# Altium PCB LimeSDR-USB_1v4.PcbDoc (part 3 of 10) (continued)
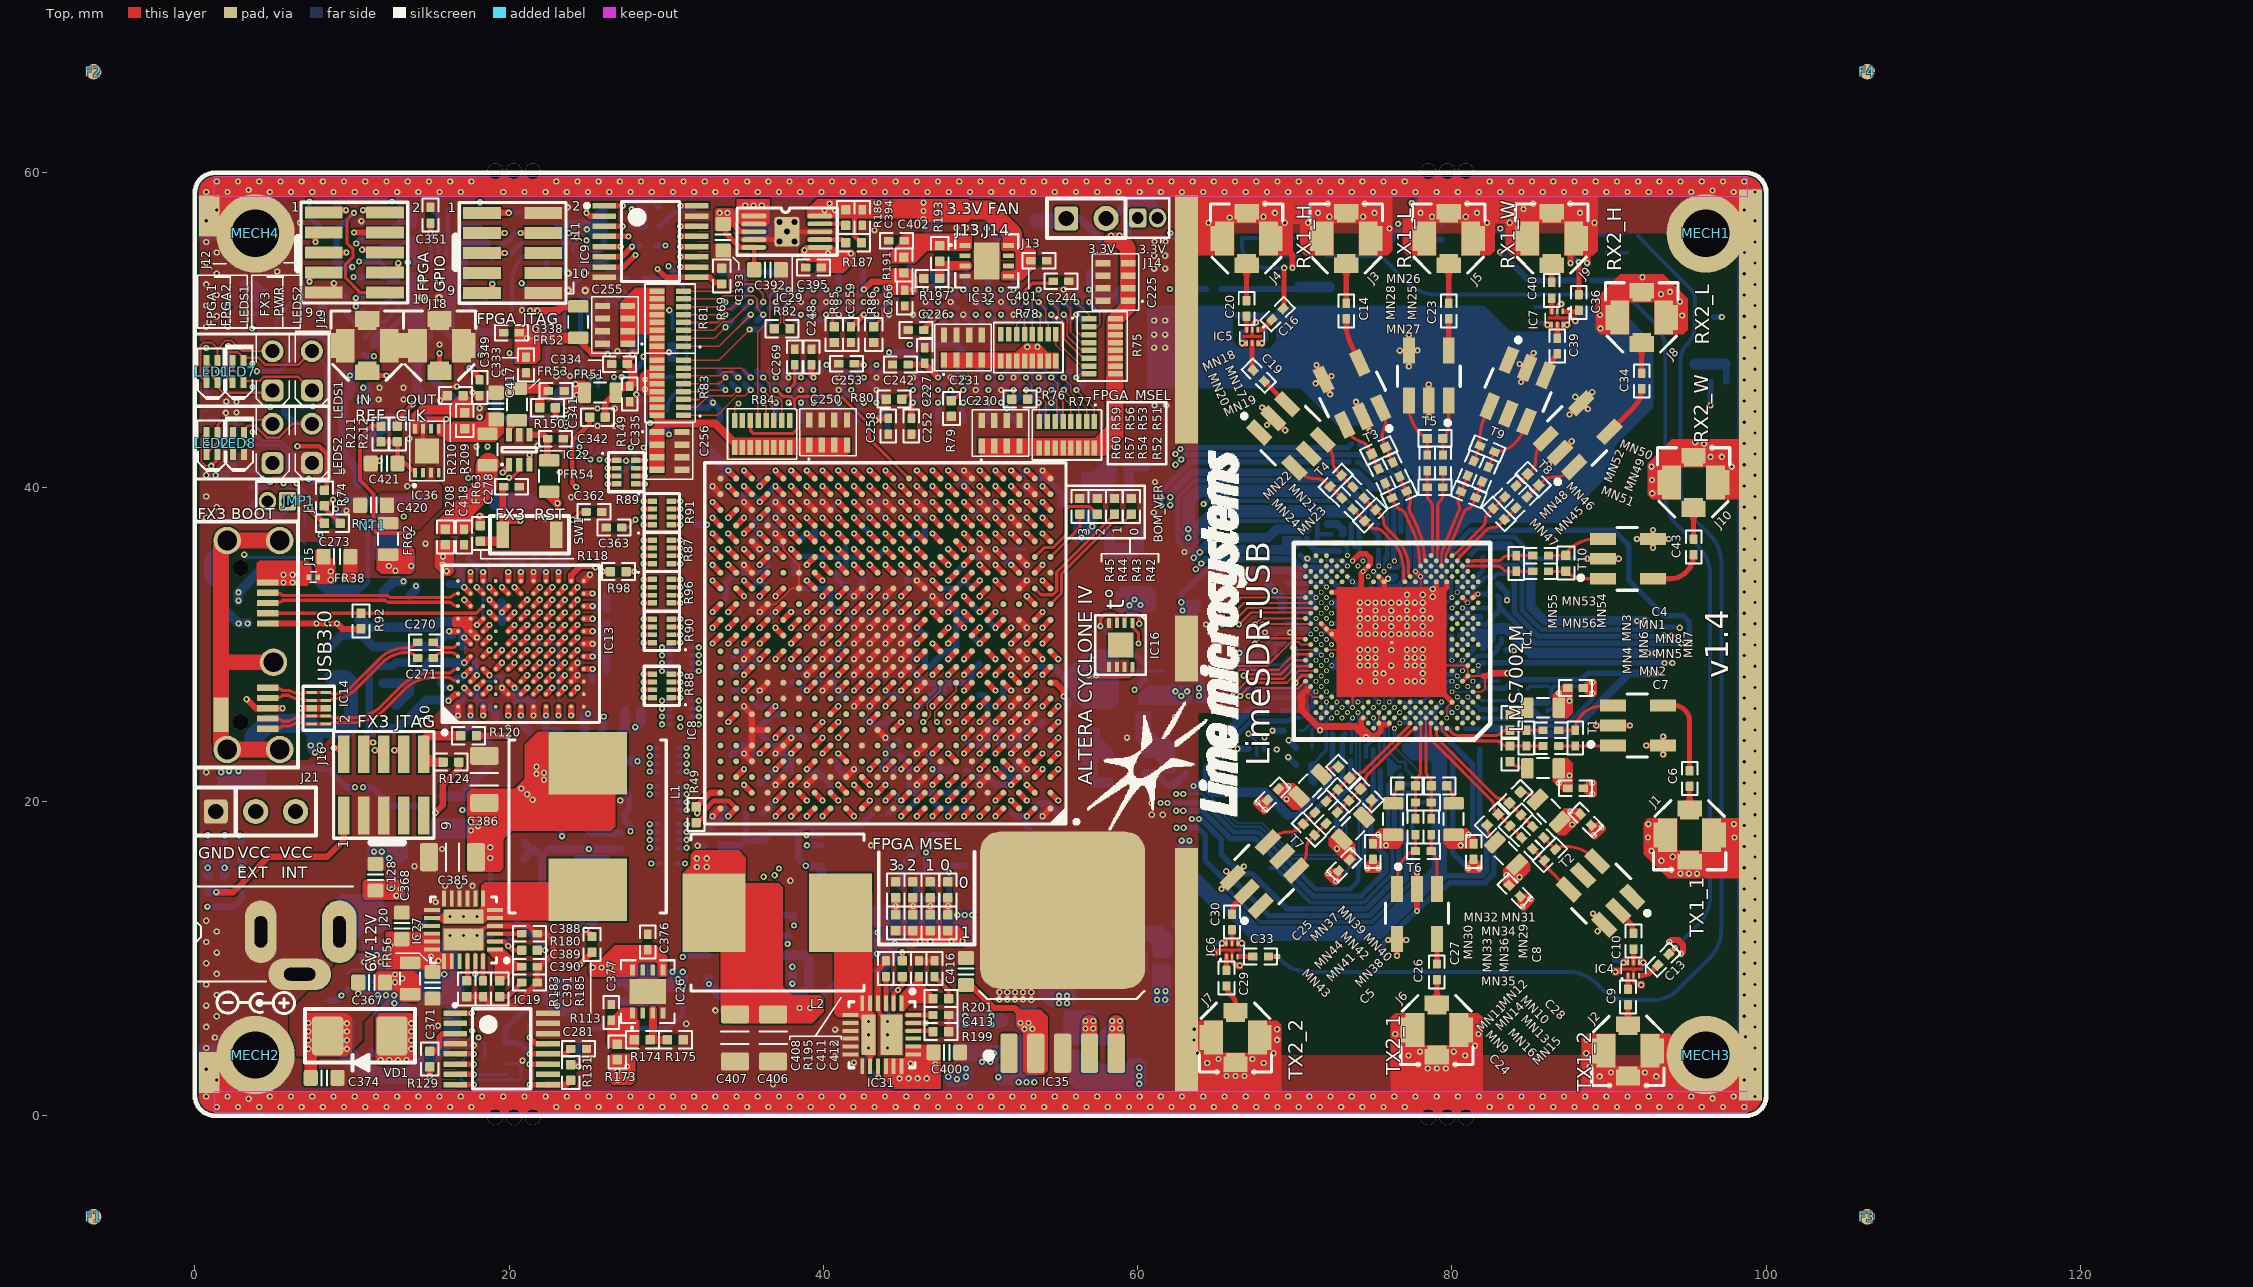
[diagram p0: Top view]
## Nets (pads, with @x,y where several pads share a name; then routed paths per layer and width w, separated by ;. In a path a pad name is that pad's centre, name@x,y a point inside that pad or via, vN(x,y) a via of type N, cw(c..) or ccw(c..) an arc to the next point about the centre after c; other vN are vias at no path point) (continued)
  Bottom w0.4: v1(53.7,51.775) IC11.L2@54.1,51.375
DDR2_1_BA1: IC8.V3 IC11.L3 R78.3 | length 29.5
  Top w0.1: v1(53.7,50.975) 53.8,50.875 R78.3@53.8,49.725
  Top w0.4: v2(51.95,37.05) IC8.V3@52.45,36.55
  L4 w0.1: v2(51.95,37.05) 52.6,37.7 54.317,37.7 58.75,42.133 58.75,52.266 57.491,53.525 55.134,53.525 54.45,52.841 54.45,52.503 54.122,52.175 53.605,52.175 53.35,51.92 53.35,51.325 v1(53.7,50.975)
  Bottom w0.4: v1(53.7,50.975) IC11.L3@54.1,50.575
DDR2_1_BA2: IC8.V1 IC11.L1 R78.4 | length 28
  Top w0.1: R78.4@53.3,49.725 53.3,52.175 v1(53.7,52.575)
  Top w0.4: v2(53.95,37.05) IC8.V1@54.45,36.55
  L4 w0.1: v1(53.7,52.575) 54.85,53.725 57.574,53.725 58.95,52.349 58.95,42.05 v2(53.95,37.05)
  Bottom w0.4: v1(53.7,52.575) IC11.L1@54.1,52.175
DDR2_1_CASN: IC8.T4 IC11.L7 R78.1 | length 19.1
  Top w0.1: v1(53.7,46.975) 54.05,47.325 55.1,47.325 55.25,47.475 55.25,48.592 54.8,49.042 R78.1@54.8,49.725
  Top w0.4: v2(50.95,35.05) IC8.T4@51.45,34.55
  L9 w0.1: v2(50.95,35.05) 51.445,35.05 53.4,37.005 53.4,44.867 53.1,45.167 53.1,45.85 53.25,46 53.25,46.525 v1(53.7,46.975)
  Bottom w0.4: v1(53.7,46.975) IC11.L7@54.1,47.375
DDR2_1_CKE: IC8.R7 IC11.K2 R78.6 | length 29.2
  Top w0.1: R78.6@52.3,49.725 52.3,50.4 52.55,50.65 52.55,51.425 v1(52.9,51.775)
  Top w0.4: v2(47.95,33.05) IC8.R7@48.45,33.55
  L9 w0.1: v2(47.95,33.05) 48.3,32.7 52.095,32.7 54.85,35.455 54.85,48.53 52.55,50.83 52.55,51.325 52.9,51.675 v1(52.9,51.775)
  Bottom w0.4: v1(52.9,51.775) IC11.K2@53.3,51.375
DDR2_1_CLK_N: IC8.U8 IC11.K8 R76.2 | length 16.9
  Top w0.1: v1(52.9,46.175) 52.9,45.725 R76.2@53.025,45.6
  Top w0.4: IC8.U8@47.45,35.55 v2(47.95,35.05)
  L9 w0.1: v2(47.95,35.05) 48.35,35.45 51.158,35.45 51.6,35.892 51.6,36.195 51.805,36.4 52.078,36.4 52.6,36.922 52.6,45.875 v1(52.9,46.175)
  Bottom w0.4: v1(52.9,46.175) IC11.K8@53.3,46.575
DDR2_1_CLK_P: IC8.U7 IC11.J8 R76.1 | length 16.5
  Top w0.1: R76.1@51.975,45.6 52.1,45.725 v1(52.1,46.175)
  Top w0.4: v2(47.95,36.05) IC8.U7@48.45,35.55
  L9 w0.1: v2(47.95,36.05) 48.35,35.65 51.075,35.65 51.4,35.975 51.4,36.278 51.722,36.6 51.995,36.6 52.4,37.005 52.4,45.875 v1(52.1,46.175)
  Bottom w0.4: v1(52.1,46.175) IC11.J8@52.5,46.575
DDR2_1_CSN: IC8.R6 IC11.L8 R77.6 | length 18.9
  Top w0.1: v1(53.7,46.175) 54.15,45.725 54.645,45.725 54.85,45.52 54.85,44.275 R77.6@54.75,44.175
  Top w0.4: IC8.R6@49.45,33.55 v2(49.95,34.05)
  L9 w0.1: v2(49.95,34.05) 50.6,34.7 52.095,34.7 52.27,34.875 52.27,35.592 53.6,36.922 53.6,44.95 53.3,45.25 53.3,45.767 53.7,46.167 v1(53.7,46.175)
  Bottom w0.4: v1(53.7,46.175) IC11.L8@54.1,46.575
DDR2_1_DM0: IC8.AA7 IC11.F3 | length 16.7
  Top w0.4: v2(47.95,40.05) IC8.AA7@48.45,39.55
  L9 w0.1: v2(47.95,40.05) 47.667,40.05 47.117,40.6 45.658,40.6 45.5,40.758 45.5,41.288 45.175,41.613 45.175,47.258 48.542,50.625 49.35,50.625 v1(49.7,50.975)
  Bottom w0.4: v1(49.7,50.975) IC11.F3@50.1,50.575
DDR2_1_DM1: IC8.V5 IC11.B3 | length 18.5
  Top w0.4: v2(49.95,37.05) IC8.V5@50.45,36.55
  L9 w0.1: v1(46.5,50.975) 44.975,49.45 44.975,41.53 45.3,41.205 45.3,40.675 45.575,40.4 46.105,40.4 49.455,37.05 v2(49.95,37.05)
  Bottom w0.4: v1(46.5,50.975) IC11.B3@46.9,50.575
DDR2_1_DQ0: IC8.U10 IC11.G8 | length 23.4
  Top w0.4: v2(44.95,36.05) IC8.U10@45.45,35.55
  L8 w0.1: v2(44.95,36.05) 45.525,36.625 49.02,36.625 50.575,38.18 50.575,43.642 49.267,44.95 48.825,44.95 48.55,45.225 48.55,47.8 49.025,48.275 49.025,48.55 49.4,48.925 49.775,48.925 50.025,48.675 50.025,46.65 v1(50.5,46.175)
  Bottom w0.4: v1(50.5,46.175) IC11.G8@50.9,46.575
DDR2_1_DQ1: IC8.AB8 IC11.G2 | length 23.6
  Top w0.4: v2(46.95,41.05) IC8.AB8@47.45,40.55
  L4 w0.1: v2(46.95,41.05) 46.95,41.7 ccw(c46.646,41.7) 46.646,42.004 45.646,42.004 cw(c45.646,42.308) 45.342,42.308 cw(c45.646,42.308) 45.646,42.612 46.95,42.612 48.128,42.612 ccw(c48.128,42.916) 48.432,42.916 ccw(c48.128,42.916) 48.128,43.22 46.95,43.22 cw(c46.95,43.454) 46.716,43.454 46.716,43.594 cw(c46.95,43.594) 46.95,43.828 48.371,43.828 ccw(c48.371,44.132) 48.675,44.132 ccw(c48.371,44.132) 48.371,44.436 46.95,44.436 46.656,44.436 cw(c46.656,44.74) 46.352,44.74 cw(c46.656,44.74) 46.656,45.044 ccw(c46.656,45.338) 46.95,45.338 46.95,45.35 46.95,47.559 49.25,49.859 49.25,51.05 49.625,51.425 50.15,51.425 v1(50.5,51.775)
  Bottom w0.4: v1(50.5,51.775) IC11.G2@50.9,51.375
DDR2_1_DQ2: IC8.AB7 IC11.H7 | length 23.6
  Top w0.4: v2(47.95,41.05) IC8.AB7@48.45,40.55
  L9 w0.1: v2(47.95,41.05) 48.4,40.6 49.995,40.6 50.3,40.905 50.3,41.5 ccw(c49.996,41.5) 49.996,41.804 49.334,41.804 cw(c49.334,42.108) 49.03,42.108 cw(c49.334,42.108) 49.334,42.412 50.3,42.412 51.096,42.412 ccw(c51.096,42.716) 51.4,42.716 ccw(c51.096,42.716) 51.096,43.02 50.3,43.02 49.334,43.02 cw(c49.334,43.324) 49.03,43.324 cw(c49.334,43.324) 49.334,43.628 50.3,43.628 51.096,43.628 ccw(c51.096,43.932) 51.4,43.932 ccw(c51.096,43.932) 51.096,44.236 50.604,44.236 cw(c50.604,44.54) 50.3,44.54 50.3,44.625 50.3,45 50.05,45.25 50.05,48.925 50.275,49.15 51.025,49.15 51.3,48.875 v1(51.3,46.975)
  Bottom w0.4: v1(51.3,46.975) IC11.H7@51.7,47.375
DDR2_1_DQ3: IC8.AA9 IC11.H3 | length 23.6
  Top w0.4: v2(45.95,40.05) IC8.AA9@46.45,39.55
  L4 w0.1: v2(45.95,40.05) 46.3,40.4 46.3,41.195 46.095,41.4 45.675,41.4 45.1,41.975 45.1,42.675 45.259,42.834 46.149,42.834 46.516,43.201 46.516,44.034 46.35,44.2 45.5,44.2 45.35,44.35 45.35,47.217 45.541,47.409 46.516,47.409 46.8,47.692 46.8,50.4 47.025,50.625 48.3,50.625 48.55,50.875 48.55,51.92 48.855,52.225 51.5,52.225 51.75,51.975 51.75,51.125 51.6,50.975 v1(51.3,50.975)
  Bottom w0.4: v1(51.3,50.975) IC11.H3@51.7,50.575
DDR2_1_DQ4: IC8.V11 IC11.H1 | length 23.7
  Top w0.4: v2(43.95,37.05) IC8.V11@44.45,36.55
  L4 w0.1: v2(43.95,37.05) 43.95,37.525 44.3,37.875 44.3,45.005 44.525,45.23 44.525,51.895 45.555,52.925 50.95,52.925 v1(51.3,52.575)
  Bottom w0.4: v1(51.3,52.575) IC11.H1@51.7,52.175
DDR2_1_DQ5: IC8.W10 IC11.H9 | length 23.5
  Top w0.4: v2(44.95,38.05) IC8.W10@45.45,37.55
  L4 w0.1: v2(44.95,38.05) 44.95,37.959 44.5,37.509 44.5,36.775 44.875,36.4 46.095,36.4 46.645,35.85 47.225,35.85 48.3,36.925 48.3,42 50.05,43.75 50.05,45.442 50.433,45.825 50.645,45.825 50.85,46.03 50.85,48 51.1,48.25 51.475,48.25 51.75,47.975 51.75,45.825 v1(51.3,45.375)
  Bottom w0.4: v1(51.3,45.375) IC11.H9@51.7,45.775
DDR2_1_DQ6: IC8.AA8 IC11.F1 | length 23.4
  Top w0.4: v2(46.95,40.05) IC8.AA8@47.45,39.55
  L8 w0.1: v2(46.95,40.05) 46.35,39.45 46,39.45 45.3,40.15 45.3,41.2 44.6,41.9 44.6,48.8 44.05,49.35 44.05,50.35 44.6,50.9 44.6,53.275 44.925,53.6 49.35,53.6 49.7,53.25 v1(49.7,52.575)
  Bottom w0.4: v1(49.7,52.575) IC11.F1@50.1,52.175
DDR2_1_DQ7: IC8.Y10 IC11.F9 | length 23.6
  Top w0.4: v2(44.95,39.05) IC8.Y10@45.45,38.55
  L4 w0.1: v2(44.95,39.05) 45.35,38.65 45.35,36.925 45.675,36.6 46.995,36.6 47.525,37.13 47.525,41.6 48.875,42.95 48.875,44.7 48.5,45.075 48.5,48.75 48.675,48.925 49.825,48.925 50.05,48.7 50.05,45.725 v1(49.7,45.375)
  Bottom w0.4: v1(49.7,45.375) IC11.F9@50.1,45.775
DDR2_1_DQ8: IC8.W6 IC11.C8 | length 23.6
  Top w0.4: v2(48.95,38.05) IC8.W6@49.45,37.55
  L8 w0.1: v1(47.3,46.175) 46.95,46.525 46.95,48.05 46.425,48.575 46.425,50.075 46.2,50.3 45.8,50.3 45.55,50.05 45.55,49.575 45.85,49.275 45.85,48.525 45.35,48.025 45.35,45.325 ccw(c45.654,45.325) 45.654,45.021 46.082,45.021 cw(c46.082,44.717) 46.386,44.717 cw(c46.082,44.717) 46.082,44.413 45.35,44.413 45.304,44.413 ccw(c45.304,44.109) 45,44.109 ccw(c45.304,44.109) 45.304,43.805 45.35,43.805 45.588,43.805 cw(c45.588,43.501) 45.892,43.501 cw(c45.588,43.501) 45.588,43.197 ccw(c45.588,42.959) 45.35,42.959 45.35,42.825 45.35,42.155 47.325,40.18 47.325,39.18 48.105,38.4 48.6,38.4 v2(48.95,38.05)
  Bottom w0.4: v1(47.3,46.175) IC11.C8@47.7,46.575
DDR2_1_DQ9: IC8.AA5 IC11.C2 | length 23.7
  Top w0.4: v2(49.95,40.05) IC8.AA5@50.45,39.55
  L8 w0.1: v1(47.3,51.775) 47.7,51.375 47.7,50.675 47.7,50.615 ccw(c48.004,50.615) 48.004,50.311 48.92,50.311 cw(c48.92,50.007) 49.224,50.007 cw(c48.92,50.007) 48.92,49.703 47.7,49.703 47.165,49.703 ccw(c47.165,49.399) 46.861,49.399 ccw(c47.165,49.399) 47.165,49.095 47.7,49.095 48.413,49.095 cw(c48.413,48.791) 48.717,48.791 cw(c48.413,48.791) 48.413,48.487 47.7,48.487 47.436,48.487 ccw(c47.436,48.183) 47.132,48.183 ccw(c47.436,48.183) 47.436,47.879 cw(c47.436,47.615) 47.7,47.615 47.7,47.575 47.7,45.28 47.173,44.753 47.173,44.05 47.173,43.391 cw(c46.869,43.391) 46.869,43.087 46.461,43.087 ccw(c46.461,42.783) 46.157,42.783 ccw(c46.461,42.783) 46.461,42.479 46.869,42.479 cw(c46.869,42.175) 47.173,42.175 47.173,41.852 47.45,41.575 47.45,40.775 47.825,40.4 49.6,40.4 v2(49.95,40.05)
  Bottom w0.4: v1(47.3,51.775) IC11.C2@47.7,51.375
DDR2_1_DQ10: IC8.W7 IC11.D7 | length 23.7
  Top w0.4: v2(47.95,38.05) IC8.W7@48.45,37.55
  L8 w0.1: v2(47.95,38.05) 47.3,37.4 45.805,37.4 44.6,36.195 44.6,35.905 45.105,35.4 45.875,35.4 46.875,36.4 48.875,36.4 49.795,36.4 51.3,37.905 51.3,38.025 51.3,41.2 50.975,41.525 50.975,43.525 49.3,45.2 49.3,46.575 v1(48.9,46.975)
  Bottom w0.4: IC11.D7@48.5,47.375 v1(48.9,46.975)
DDR2_1_DQ11: IC8.V8 IC11.D3 | length 23.4
  Top w0.4: v2(46.95,37.05) IC8.V8@47.45,36.55
  L4 w0.1: v2(46.95,37.05) 47.325,37.425 47.325,39.425 47.125,39.625 45.7,39.625 45.5,39.825 45.5,40.9 44.9,41.5 44.9,42.275 44.9,42.579 44.9,42.883 cw(c45.204,42.883) 45.204,43.187 46.013,43.187 ccw(c46.013,43.491) 46.317,43.491 ccw(c46.013,43.491) 46.013,43.795 45.204,43.795 cw(c45.204,44.099) 44.9,44.099 44.9,44.403 44.9,44.525 44.9,44.757 45.15,45.007 45.15,47.3 45.459,47.609 46.434,47.609 46.583,47.758 46.583,50.123 46.15,50.556 46.15,51.12 46.405,51.375 47.925,51.375 48.1,51.2 v1(48.1,50.975)
  Bottom w0.4: v1(48.1,50.975) IC11.D3@48.5,50.575
DDR2_1_DQ12: IC8.W8 IC11.D1 | length 23.2
  Top w0.4: v2(46.95,38.05) IC8.W8@47.45,37.55
  L4 w0.1: v2(46.95,38.05) 46.95,37.625 46.725,37.4 45.825,37.4 45.6,37.625 45.6,38.905 45.3,39.205 45.3,39.912 45.3,40.275 44.7,40.875 44.7,44.839 44.95,45.089 44.95,49.25 44.95,49.309 cw(c45.254,49.309) 45.254,49.613 46.063,49.613 ccw(c46.063,49.917) 46.367,49.917 ccw(c46.063,49.917) 46.063,50.221 45.254,50.221 cw(c45.254,50.525) 44.95,50.525 44.95,51.025 46.05,52.125 47.65,52.125 v1(48.1,52.575)
  Bottom w0.4: v1(48.1,52.575) IC11.D1@48.5,52.175
DDR2_1_DQ13: IC8.Y7 IC11.D9 | length 23.6
  Top w0.4: v2(47.95,39.05) IC8.Y7@48.45,38.55
  L8 w0.1: v2(47.95,39.05) 48.3,38.7 49.095,38.7 49.795,39.4 50.095,39.4 50.175,39.4 50.375,39.6 50.375,40.375 50.15,40.6 48.65,40.6 48.325,40.925 48.325,41.102 cw(c48.629,41.102) 48.629,41.406 49.545,41.406 ccw(c49.545,41.71) 49.849,41.71 ccw(c49.545,41.71) 49.545,42.014 48.325,42.014 47.693,42.014 cw(c47.693,42.318) 47.389,42.318 cw(c47.693,42.318) 47.693,42.622 48.325,42.622 49.545,42.622 ccw(c49.545,42.926) 49.849,42.926 ccw(c49.545,42.926) 49.545,43.23 48.325,43.23 47.693,43.23 cw(c47.693,43.534) 47.389,43.534 cw(c47.693,43.534) 47.693,43.838 48.325,43.838 49.362,43.838 ccw(c49.362,44.142) 49.666,44.142 ccw(c49.362,44.142) 49.362,44.446 48.629,44.446 cw(c48.629,44.75) 48.325,44.75 48.325,45.95 v1(48.1,46.175)
  Bottom w0.4: v1(48.1,46.175) IC11.D9@48.5,45.775
DDR2_1_DQ14: IC8.U9 IC11.B1 | length 23.3
  Top w0.4: v2(45.95,36.05) IC8.U9@46.45,35.55
  L4 w0.1: v2(45.95,36.05) 45.95,35.65 45.7,35.4 43.5,35.4 43.3,35.6 43.3,36.475 43.525,36.7 44.1,36.7 44.3,36.9 44.3,37.592 44.5,37.792 44.5,44.922 44.75,45.172 44.75,51.125 46.2,52.575 v1(46.5,52.575)
  Bottom w0.4: v1(46.5,52.575) IC11.B1@46.9,52.175
DDR2_1_DQ15: IC8.AA4 IC11.B9 | length 23.7
  Top w0.4: v2(50.95,40.05) IC8.AA4@51.45,39.55
  L9 w0.1: v1(46.5,45.375) 46.1,45.775 46.1,47.9 46.275,48.075 47.425,48.075 47.65,47.85 47.65,45.175 47.35,44.875 47.35,44.575 47.35,44.415 ccw(c47.654,44.415) 47.654,44.111 48.062,44.111 cw(c48.062,43.807) 48.366,43.807 cw(c48.062,43.807) 48.062,43.503 47.35,43.503 46.638,43.503 ccw(c46.638,43.199) 46.334,43.199 ccw(c46.638,43.199) 46.638,42.895 47.35,42.895 48.062,42.895 cw(c48.062,42.591) 48.366,42.591 cw(c48.062,42.591) 48.062,42.287 47.35,42.287 46.638,42.287 ccw(c46.638,41.983) 46.334,41.983 ccw(c46.638,41.983) 46.638,41.679 47.046,41.679 cw(c47.046,41.375) 47.35,41.375 47.35,40.65 47.6,40.4 50.6,40.4 v2(50.95,40.05)
  Bottom w0.4: v1(46.5,45.375) IC11.B9@46.9,45.775
DDR2_1_DQS0: IC8.AB9 IC11.F7 | length 14.7
  Top w0.4: v2(45.95,41.05) IC8.AB9@46.45,40.55
  L8 w0.1: v1(45.5,49.075) 44.8,48.375 44.8,42.2 v2(45.95,41.05)
  Bottom w0.4: v1@45.575,49.075 48.4,49.075 IC11.F7@50.1,47.375
DDR2_1_DQS0N: IC11.E8 R79.2 | length 1.6
  Top w0.2: R79.2@48.15,45.5 48.225,45.5 v1(48.9,46.175)
  Bottom w0.4: v1(48.9,46.175) IC11.E8@49.3,46.575
DDR2_1_DQS1: IC8.V10 IC11.B7 | length 15.8
  Top w0.4: v2(44.95,37.05) IC8.V10@45.45,36.55
  L8 w0.1: v1(44.175,48.575) 44.4,48.35 44.4,41.625 44.625,41.4 44.625,37.375 v2(44.95,37.05)
  Bottom w0.4: v1(44.175,48.575) 45.7,48.575 IC11.B7@46.9,47.375
DDR2_1_DQS1N: IC11.A8 R80.2 | length 1.5
  Top w0.2: R80.2@45,45.6 45.125,45.6 v1(45.7,46.175)
  Bottom w0.4: v1(45.7,46.175) IC11.A8@46.1,46.575
DDR2_1_ODT: IC8.P6 IC11.K9 R77.8 | length 18.7
  Top w0.1: v1(53.7,45.375) 53.75,45.325 R77.8@53.75,44.175
  Top w0.4: v2(48.95,33.05) IC8.P6@49.45,32.55
  L9 w0.1: v2(48.95,33.05) 49.5,33.05 50.925,34.475 52.87,34.475 54.3,35.905 54.3,44.775 v1(53.7,45.375)
  Bottom w0.4: IC11.K9@53.3,45.775 v1(53.7,45.375)
DDR2_1_RASN: IC8.T5 IC11.K7 R77.7 | length 24.7
  Top w0.1: v1(52.9,46.975) 52.9,46.875 53.25,46.525 53.25,46.13 53.655,45.725 53.845,45.725 54.15,45.42 54.15,44.275 R77.7@54.25,44.175
  Top w0.4: v2(49.95,35.05) IC8.T5@50.45,34.55
  L9 w0.1: v2(49.95,35.05) 49.445,35.05 49.095,34.7 47.805,34.7 47.6,34.905 47.6,36.195 47.83,36.425 50.85,36.425 51.6,37.175 51.6,44.475 50.95,45.125 50.95,46.32 51.175,46.545 51.175,46.575 52.5,46.575 v1(52.9,46.975)
  Bottom w0.4: v1(52.9,46.975) IC11.K7@53.3,47.375
DDR2_1_WEN: IC8.T7 IC11.K3 R78.5 | length 31.5
  Top w0.1: R78.5@52.8,49.725 52.8,50.875 v1(52.9,50.975)
  Top w0.4: v2(47.95,34.05) IC8.T7@48.45,34.55
  L8 w0.1: v2(47.95,34.05) 48.45,34.05 49.9,35.5 54.383,35.5 58.475,39.592 58.475,49.095 56.245,51.325 53.25,51.325 v1(52.9,50.975)
  Bottom w0.4: v1(52.9,50.975) IC11.K3@53.3,50.575
DDR2_2_A0: IC8.U15 IC12.M8 R81.3 | length 31
  Top w0.1: R81.3@31.1,49.975 33.058,49.975 33.608,50.525 34.125,50.525 v1(35.375,51.775)
  Top w0.4: v2(39.95,36.05) IC8.U15@40.45,35.55
  L4 w0.1: v1(35.375,51.775) 34.85,52.3 34.85,53.5 35.225,53.875 37.8,53.875 38.125,53.55 38.125,50.925 37.325,50.125 37.325,41.17 40.3,38.195 40.3,36.4 v2(39.95,36.05)
  Bottom w0.4: IC12.M8@34.975,51.375 v1(35.375,51.775)
DDR2_2_A1: IC8.AA17 IC12.M3 R83.7 | length 30.3
  Top w0.1: R83.7@31.1,47.575 34.775,47.575 v1(35.375,46.975)
  Top w0.4: v2(37.95,40.05) IC8.AA17@38.45,39.55
  L9 w0.1: v1(35.375,46.975) 35.125,46.975 34.15,47.95 34.15,51.175 34.4,51.425 36.725,51.425 39.2,48.95 39.2,48.65 38.975,48.425 38.7,48.425 38.55,48.275 38.55,47.55 38.8,47.3 39.55,47.3 39.8,47.05 39.8,45.305 39.35,44.855 39.35,44.5 39.35,44.15 ccw(c39.55,44.15) 39.55,43.95 cw(c39.55,43.55) 39.95,43.55 cw(c39.55,43.55) 39.55,43.15 39.35,43.15 39.264,43.15 ccw(c39.264,42.75) 38.864,42.75 ccw(c39.264,42.75) 39.264,42.35 39.35,42.35 39.507,42.35 cw(c39.507,41.95) 39.907,41.95 cw(c39.507,41.95) 39.507,41.55 ccw(c39.507,41.393) 39.35,41.393 39.35,41.15 39.35,40.955 38.445,40.05 v2(37.95,40.05)
  Bottom w0.4: IC12.M3@34.975,47.375 v1(35.375,46.975)
DDR2_2_A2: IC8.T14 IC12.M7 R81.1 | length 30.9
  Top w0.1: R81.1@31.1,48.975 33.375,48.975 v1(35.375,50.975)
  Top w0.4: v2(40.95,35.05) IC8.T14@41.45,34.55
  L4 w0.1: v1(35.375,50.975) 35.725,51.325 35.725,52.95 36.125,53.35 37.075,53.35 37.425,53 37.425,50.675 36.617,49.867 36.617,40.889 39.55,37.955 39.55,35.955 40.455,35.05 v2(40.95,35.05)
  Bottom w0.4: IC12.M7@34.975,50.575 v1(35.375,50.975)
DDR2_2_A3: IC8.Y17 IC12.N2 R83.2 | length 30.1
  Top w0.1: R83.2@31.1,45.075 31.95,45.075 32.7,45.825 34.225,45.825 v1(34.575,46.175)
  Top w0.4: v2(37.95,39.05) IC8.Y17@38.45,38.55
  L9 w0.1: v1(34.575,46.175) 35,45.75 36.245,45.75 36.525,46.03 36.525,47.12 36.12,47.525 35.141,47.525 34.55,48.116 34.55,50.15 34.825,50.425 37.159,50.425 38.025,49.559 38.025,47.75 37.425,47.15 37.425,46.9 37.425,46.83 37.63,46.625 37.845,46.625 38.125,46.345 38.125,45.23 37.72,44.825 37,44.825 36.1,43.925 36.1,41.4 37.275,40.225 37.275,39.725 v2(37.95,39.05)
  Bottom w0.4: IC12.N2@34.175,46.575 v1(34.575,46.175)
DDR2_2_A4: IC8.T16 IC12.N8 R81.5 | length 31
  Top w0.1: R81.5@31.1,50.975 33.258,50.975 33.608,51.325 34.125,51.325 v1(34.575,51.775)
  Top w0.4: IC8.T16@39.45,34.55 v2(39.95,34.05)
  L4 w0.1: v1(34.575,51.775) 34.975,51.375 34.975,50.825 35.187,50.613 35.563,50.613 35.725,50.775 35.725,51.02 36.055,51.35 36.55,51.35 36.85,51.05 36.85,50.55 36.4,50.1 36.4,47.695 35.825,47.12 35.825,46.13 35.6,45.905 35.6,44.425 35.6,44.325 ccw(c36,44.325) 36,43.925 cw(c36,43.525) 36.4,43.525 cw(c36,43.525) 36,43.125 35.6,43.125 35.565,43.125 ccw(c35.565,42.725) 35.165,42.725 ccw(c35.565,42.725) 35.565,42.325 35.6,42.325 36,42.325 cw(c36,41.925) 36.4,41.925 cw(c36,41.925) 36,41.525 ccw(c36,41.125) 35.6,41.125 35.6,40.905 39.3,37.205 39.3,34.25 39.5,34.05 v2(39.95,34.05)
  Bottom w0.4: IC12.N8@34.175,51.375 v1(34.575,51.775)
DDR2_2_A5: IC8.P7 IC12.N3 R83.6 | length 30.3
  Top w0.1: R83.6@31.1,47.075 33.38,47.075 33.63,47.325 34.225,47.325 v1(34.575,46.975)
  Top w0.4: v2(47.95,32.05) IC8.P7@48.45,32.55
  L9 w0.1: v1(34.575,46.975) 34.225,46.625 34.225,44.325 35.55,43 35.55,39.955 37.5,38.005 37.5,35.825 38.1,35.225 38.1,34.05 39.725,32.425 47.575,32.425 v2(47.95,32.05)
  Bottom w0.4: IC12.N3@34.175,47.375 v1(34.575,46.975)
DDR2_2_A6: IC8.U17 IC12.N7 R81.2 | length 30.6
  Top w0.1: R81.2@31.1,49.475 33.075,49.475 v1(33.775,50.175)
  Top w0.4: v2(37.95,36.05) IC8.U17@38.45,35.55
  L4 w0.1: v1(33.775,50.175) 33.575,50.375 33.433,50.375 33.333,50.275 33.333,50.008 33.333,49.625 cw(c32.933,49.625) 32.933,49.225 31.15,49.225 ccw(c31.15,48.825) 30.75,48.825 ccw(c31.15,48.825) 31.15,48.425 33.333,48.425 33.907,48.425 cw(c33.907,48.025) 34.307,48.025 cw(c33.907,48.025) 33.907,47.625 33.333,47.625 32.623,47.625 ccw(c32.623,47.225) 32.223,47.225 ccw(c32.623,47.225) 32.623,46.825 32.933,46.825 cw(c32.933,46.425) 33.333,46.425 33.333,45.425 33.333,44.924 ccw(c33.637,44.924) 33.637,44.62 33.665,44.62 cw(c33.665,44.316) 33.969,44.316 cw(c33.665,44.316) 33.665,44.012 33.333,44.012 33.104,44.012 ccw(c33.104,43.708) 32.8,43.708 ccw(c33.104,43.708) 33.104,43.404 cw(c33.104,43.174) 33.333,43.174 33.333,43.1 33.333,41.162 38.1,36.395 38.1,36.2 v2(37.95,36.05)
  Bottom w0.4: v1(33.775,50.175) IC12.N7@34.175,50.575
DDR2_2_A7: IC8.N8 IC12.P2 R83.3 | length 30
  Top w0.1: R83.3@31.1,45.575 32.07,45.575 32.67,46.175 v1(33.775,46.175)
  Top w0.4: v1(46.95,32.05) IC8.N8@47.45,31.55
  L9 w0.1: v1(33.775,46.175) 33,46.175 32.45,45.625 32.45,45.25 35.3,42.4 35.3,39.205 37.3,37.205 37.3,35.742 37.9,35.142 37.9,33.967 39.64,32.227 39.64,31.865 39.805,31.7 46.6,31.7 v1(46.95,32.05)
  Bottom w0.4: IC12.P2@33.375,46.575 v1(33.775,46.175)
DDR2_2_A8: IC8.R16 IC12.P8 R81.6 | length 31
  Top w0.1: R81.6@31.1,51.475 33.475,51.475 v1(33.775,51.775)
  Top w0.4: v2(38.95,34.05) IC8.R16@39.45,33.55
  L4 w0.1: v1(33.775,51.775) 33.775,52.725 33,53.5 31.4,53.5 30.55,52.65 30.55,48.45 32.6,46.4 32.6,43.05 32.925,42.725 32.925,40.57 38.95,34.545 v2(38.95,34.05)
  Bottom w0.4: IC12.P8@33.375,51.375 v1(33.775,51.775)
DDR2_2_A9: IC8.AA20 IC12.P3 R83.5 | length 30.1
  Top w0.1: R83.5@31.1,46.575 33.375,46.575 v1(33.775,46.975)
  Top w0.4: v2(34.95,40.05) IC8.AA20@35.45,39.55
  L9 w0.1: v1(33.775,46.975) 33.925,47.125 33.925,48.825 33.2,49.55 31.725,49.55 31.35,49.175 31.35,48.95 ccw(c31.654,48.95) 31.654,48.646 32.354,48.646 cw(c32.354,48.342) 32.658,48.342 cw(c32.354,48.342) 32.354,48.038 31.654,48.038 ccw(c31.654,47.734) 31.35,47.734 ccw(c31.654,47.734) 31.654,47.43 32.354,47.43 cw(c32.354,47.126) 32.658,47.126 cw(c32.354,47.126) 32.354,46.822 31.654,46.822 ccw(c31.654,46.518) 31.35,46.518 31.35,45.625 31.35,44.6 31.675,44.275 32.55,44.275 33.15,43.675 33.742,43.675 33.946,43.471 33.946,43.346 33.775,43.175 32.95,43.175 32.775,43 32.775,42.775 32.975,42.575 34.7,42.575 35.05,42.225 35.05,41.675 34.8,41.425 33.9,41.425 33.65,41.175 33.65,39.85 33.85,39.65 34.55,39.65 v2(34.95,40.05)
  Bottom w0.4: IC12.P3@33.375,47.375 v1(33.775,46.975)
DDR2_2_A10: IC8.AB17 IC12.M2 R83.1 | length 29.9
  Top w0.1: R83.1@31.1,44.575 33.258,44.575 34.508,45.825 35.025,45.825 v1(35.375,46.175)
  Top w0.4: v2(37.95,41.05) IC8.AB17@38.45,40.55
  L9 w0.1: v1(35.375,46.175) 35.725,46.525 35.725,47.125 35.525,47.325 35.058,47.325 34.35,48.033 34.35,50.4 34.575,50.625 37.242,50.625 38.225,49.642 38.225,46.83 38.43,46.625 38.8,46.625 39.025,46.4 39.025,45.225 38.825,45.025 38.27,45.025 37.95,44.705 37.95,44.1 ccw(c38.2,44.1) 38.2,43.85 38.55,43.85 cw(c38.55,43.45) 38.95,43.45 cw(c38.55,43.45) 38.55,43.05 37.95,43.05 37.35,43.05 ccw(c37.35,42.65) 36.95,42.65 ccw(c37.35,42.65) 37.35,42.25 37.95,42.25 38.286,42.25 cw(c38.286,41.85) 38.686,41.85 cw(c38.286,41.85) 38.286,41.45 ccw(c38.286,41.114) 37.95,41.114 v2(37.95,41.05)
  Bottom w0.4: IC12.M2@34.975,46.575 v1(35.375,46.175)
DDR2_2_A11: IC8.U16 IC12.P7 R81.4 | length 30.9
  Top w0.1: R81.4@31.1,50.475 33.275,50.475 v1(33.775,50.975)
  Top w0.4: v2(38.95,35.05) IC8.U16@39.45,35.55
  L4 w0.1: v1(33.775,50.975) 33.975,51.175 34.342,51.175 34.95,50.567 34.95,50.325 34.95,50.075 cw(c34.55,50.075) 34.55,49.675 33.95,49.675 ccw(c33.95,49.275) 33.55,49.275 ccw(c33.95,49.275) 33.95,48.875 34.95,48.875 35.8,48.875 cw(c35.8,48.475) 36.2,48.475 cw(c35.8,48.475) 35.8,48.075 34.95,48.075 34.844,48.075 ccw(c34.844,47.675) 34.444,47.675 ccw(c34.844,47.675) 34.844,47.275 cw(c34.844,47.169) 34.95,47.169 34.95,46.875 34.95,44.975 cw(c34.725,44.975) 34.725,44.75 34.568,44.75 ccw(c34.568,44.35) 34.168,44.35 ccw(c34.568,44.35) 34.568,43.95 34.95,43.95 35,43.95 cw(c35,43.55) 35.4,43.55 cw(c35,43.55) 35,43.15 34.95,43.15 34.568,43.15 ccw(c34.568,42.75) 34.168,42.75 ccw(c34.568,42.75) 34.568,42.35 cw(c34.568,41.968) 34.95,41.968 34.95,41.95 34.95,41.545 34.6,41.195 34.6,40.895 38.35,37.145 38.35,35.65 v2(38.95,35.05)
  Bottom w0.4: IC12.P7@33.375,50.575 v1(33.775,50.975)
DDR2_2_A12: IC8.U14 IC12.R2 R83.4 | length 31
  Top w0.1: R83.4@31.1,46.075 32.075,46.075 v1(32.175,46.175)
  Top w0.4: v2(40.95,36.05) IC8.U14@41.45,35.55
  L4 w0.1: v1(32.175,46.175) 32.325,46.025 32.325,45.6 32.325,45.225 cw(c31.925,45.225) 31.925,44.825 30.725,44.825 ccw(c30.725,44.425) 30.325,44.425 ccw(c30.725,44.425) 30.725,44.025 31.925,44.025 cw(c31.925,43.625) 32.325,43.625 cw(c31.925,43.625) 31.925,43.225 30.725,43.225 ccw(c30.725,42.825) 30.325,42.825 ccw(c30.725,42.825) 30.725,42.425 31.925,42.425 cw(c31.925,42.025) 32.325,42.025 cw(c31.925,42.025) 31.925,41.625 31.623,41.625 ccw(c31.623,41.225) 31.223,41.225 ccw(c31.623,41.225) 31.623,40.825 31.925,40.825 cw(c31.925,40.425) 32.325,40.425 32.325,40.183 32.6,39.908 32.6,39.905 32.805,39.7 32.808,39.7 34.6,37.908 34.6,37.905 34.8,37.705 34.8,37.7 38.8,33.7 41.05,33.7 41.55,34.2 41.55,35.775 41.275,36.05 v2(40.95,36.05)
  Bottom w0.4: v1(32.175,46.175) IC12.R2@32.575,46.575
DDR2_2_BA0: IC8.U13 IC12.L2 R84.3 | length 22.3
  Top w0.1: v1(36.175,46.175) 36.625,45.725 36.625,45.23 36.85,45.005 R84.3@36.85,44.225
  Top w0.4: v2(41.95,36.05) IC8.U13@42.45,35.55
  L10 w0.1: v1(36.175,46.175) 36.175,45.95 34.3,44.075 34.3,36.195 34.895,35.6 41.005,35.6 41.455,36.05 v2(41.95,36.05)
  Bottom w0.4: IC12.L2@35.775,46.575 v1(36.175,46.175)
DDR2_2_BA1: IC8.T13 IC12.L3 R84.2 | length 25.5
  Top w0.1: v1(36.175,46.975) 36.575,46.575 36.575,46.08 36.93,45.725 37.12,45.725 37.35,45.495 R84.2@37.35,44.225
  Top w0.4: v2(41.95,35.05) IC8.T13@42.45,34.55
  L10 w0.1: v1(36.175,46.975) 36.175,46.875 35.825,46.525 35.825,45.883 34.075,44.133 34.075,41.7 33.6,41.225 33.6,35.905 34.105,35.4 41.105,35.4 41.455,35.05 v2(41.95,35.05)
  Bottom w0.4: IC12.L3@35.775,47.375 v1(36.175,46.975)
DDR2_2_BA2: IC8.V2 IC12.L1 R84.4 | length 33.4
  Top w0.1: v1(36.175,45.375) 36.35,45.2 R84.4@36.35,44.225
  Top w0.4: v2(52.95,37.05) IC8.V2@53.45,36.55
  L10 w0.1: v1(36.175,45.375) 34.5,43.7 34.5,36.925 35.025,36.4 42.095,36.4 42.6,35.895 42.6,34.905 42.805,34.7 52.095,34.7 52.95,35.555 v2(52.95,37.05)
  Bottom w0.4: IC12.L1@35.775,45.775 v1(36.175,45.375)
DDR2_2_CASN: IC8.T10 IC12.L7 R81.7 | length 26.8
  Top w0.1: R81.7@31.1,51.975 33.45,51.975 33.65,52.175 35.575,52.175 35.775,51.975 35.775,51.375 v1(36.175,50.975)
  Top w0.4: v2(44.95,35.05) IC8.T10@45.45,34.55
  L3 w0.1: v1(36.175,50.975) 39.975,47.175 39.975,45.52 44.3,41.195 44.3,35.7 v2(44.95,35.05)
  Bottom w0.4: IC12.L7@35.775,50.575 v1(36.175,50.975)
DDR2_2_CKE: IC8.AB10 IC12.K2 R84.6 | length 17.9
  Top w0.19: R84.6@35.35,44.225 35.35,43.625 35.575,43.4 38.05,43.4 38.4,43.75 38.4,44.8 38.17,45.03 38.17,45.539 ; 37.9,45.775 37.934,45.775 38.17,45.539 ; IC8.AB10@45.45,40.55 42.95,43.05 42.95,43.959 41.139,45.77 38.401,45.77 38.17,45.539
  Top w0.2: v1(36.975,46.175) 37.024,46.175 37.424,45.775 37.9,45.775
  Bottom w0.4: IC12.K2@36.575,46.575 v1(36.975,46.175)
DDR2_2_CLK_N: IC8.R15 IC12.K8 R82.2 | length 23.7
  Top w0.1: R82.2@36.875,50.075 37.275,50.475 37.275,51.475 v1(36.975,51.775)
  Top w0.4: v2(39.95,33.05) IC8.R15@40.45,33.55
  L9 w0.1: v1(36.975,51.775) 37.275,51.475 37.275,51.199 40.552,47.922 40.552,47.335 40.35,47.133 40.35,33.45 v2(39.95,33.05)
  Bottom w0.4: IC12.K8@36.575,51.375 v1(36.975,51.775)
DDR2_2_CLK_P: IC8.R14 IC12.J8 R82.1 | length 23.7
  Top w0.1: v1(37.775,51.775) 37.475,51.475 37.475,50.475 R82.1@37.875,50.075
  Top w0.4: v2(40.95,33.05) IC8.R14@41.45,33.55
  L9 w0.1: v1(37.775,51.775) 37.475,51.475 37.475,51.282 40.752,48.005 40.752,47.252 40.75,47.25 40.55,47.05 40.55,33.45 v2(40.95,33.05)
  Bottom w0.4: IC12.J8@37.375,51.375 v1(37.775,51.775)
DDR2_2_CSN: IC8.Y8 IC12.L8 R81.8 | length 24.8
  Top w0.1: R81.8@31.1,52.475 34.575,52.475 35.025,52.925 35.52,52.925 36.175,52.27 v1(36.175,51.775)
  Top w0.4: v2(46.95,39.05) IC8.Y8@47.45,38.55
  L3 w0.1: v1(36.175,51.775) 36.175,51.675 36.525,51.325 36.525,50.908 40.175,47.258 40.175,45.603 44.525,41.253 44.525,40.98 46.455,39.05 v2(46.95,39.05)
  Bottom w0.4: IC12.L8@35.775,51.375 v1(36.175,51.775)
DDR2_2_DM0: IC8.AA16 IC12.F3 | length 9.6
  Top w0.4: v2(38.95,40.05) IC8.AA16@39.45,39.55
  L9 w0.1: v2(38.95,40.05) 39.55,40.65 39.55,41.145 40.15,41.745 40.15,47.75 40.177,47.777 v1(40.202,47.777)
  Bottom w0.4: IC12.F3@39.775,47.375 40.177,47.777 v1(40.202,47.777)
DDR2_2_DM1: IC8.AA10 IC12.B3 | length 9.7
  Top w0.4: v2(44.95,40.05) IC8.AA10@45.45,39.55
  L9 w0.1: v1(43.375,47.775) 44.375,46.775 44.375,40.625 v2(44.95,40.05)
  Bottom w0.4: IC12.B3@42.975,47.375 v1(43.375,47.775)
DDR2_2_DQ0: IC8.W15 IC12.G8 | length 18.1
  Top w0.4: v2(39.95,38.05) IC8.W15@40.45,37.55
  L8 w0.1: v1(39.375,51.775) 39.725,51.425 39.725,50.45 39.025,49.75 39.025,46.775 38.775,46.525 38.43,46.525 38.225,46.32 38.225,45.208 38.6,44.833 38.6,37.725 38.8,37.525 39.425,37.525 v2(39.95,38.05)
  Bottom w0.4: IC12.G8@38.975,51.375 v1(39.375,51.775)
DDR2_2_DQ1: IC8.V14 IC12.G2 | length 18.2
  Top w0.4: v2(40.95,37.05) IC8.V14@41.45,36.55
  L8 w0.1: v1(39.375,46.175) 39.025,45.825 39.025,41.5 39.3,41.225 39.3,39.205 40.3,38.205 40.3,37.895 38.5,36.095 38.5,35.575 38.675,35.4 41.35,35.4 41.6,35.65 41.6,36.4 v2(40.95,37.05)
  Bottom w0.4: IC12.G2@38.975,46.575 v1(39.375,46.175)